# Altium PCB LimePSB-RPCM_1v4.PcbDoc (part 4 of 12) (continued)
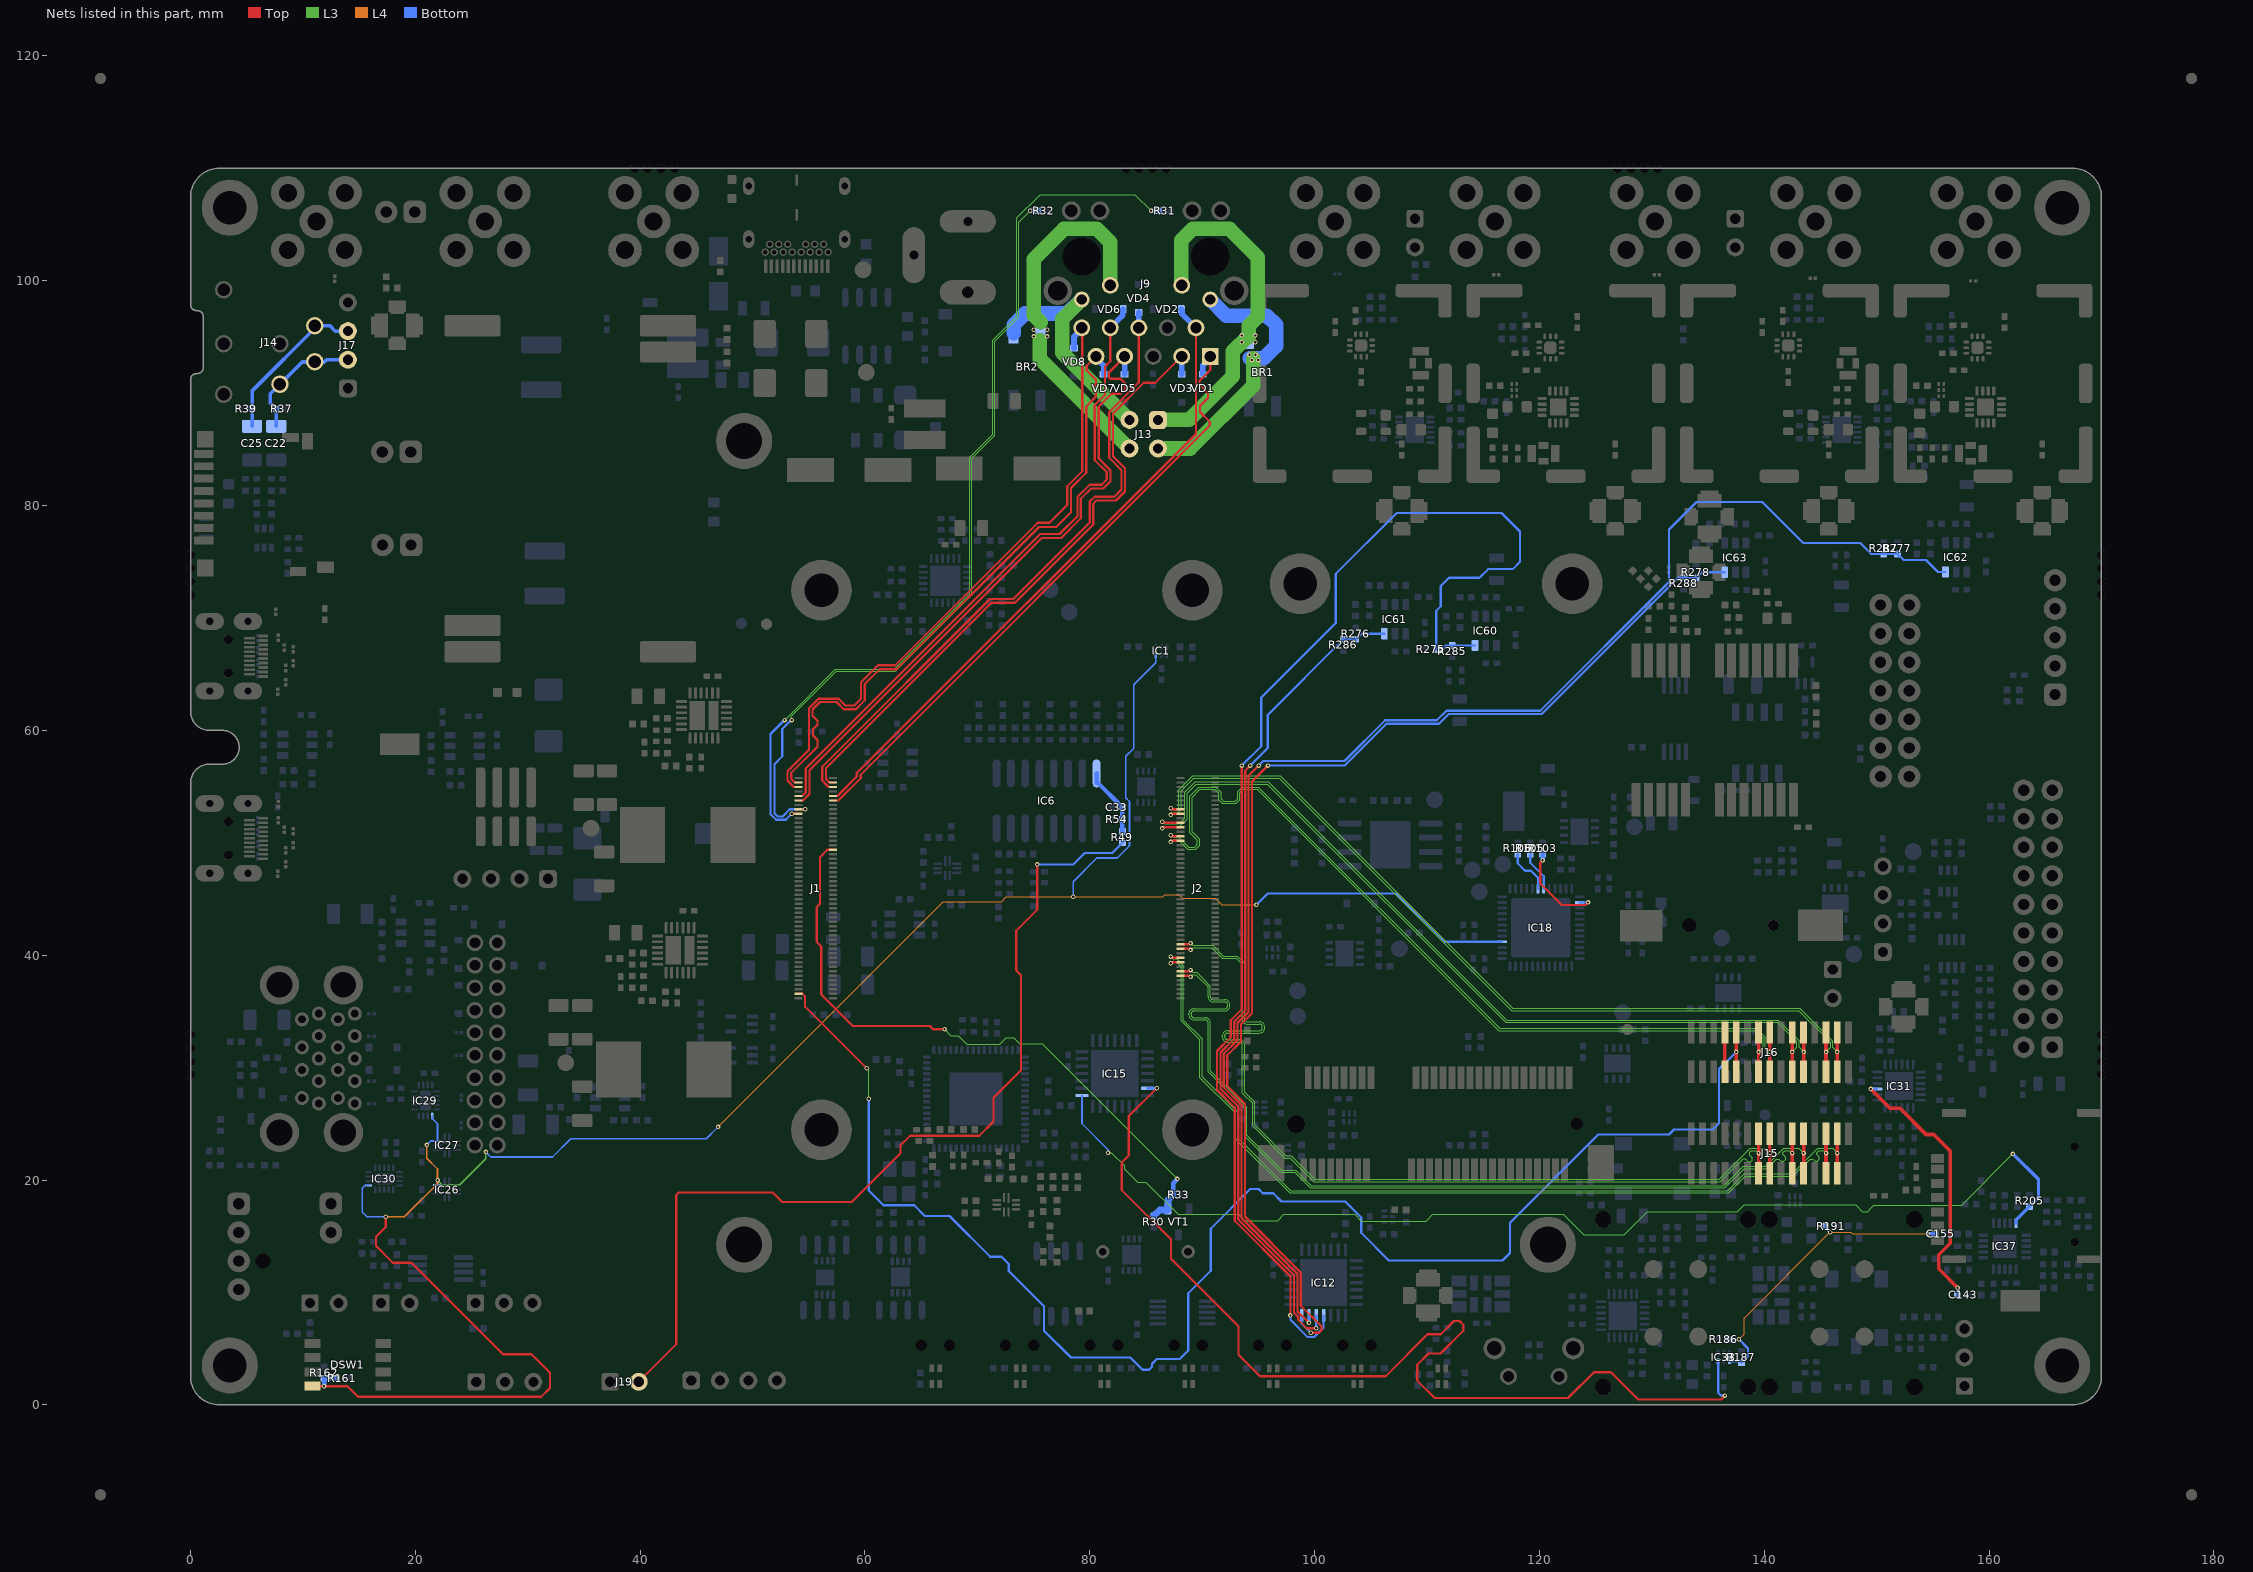
[diagram p8: the nets of this part, all layers, seen from the top]
## Part data (continued)
L4 L5 L6 L7: library part Inductor, Case/Package=0603, Case Code (Metric)=1608, Current=400mA, Current Rating=500mA, DC Resistance (DCR)=170mR, Inductance=22nH, Inductance Tolerance=2%, Manufacturer=Murata, Manufacturer Part Number 1=LQW18AN22NG00D, Max Operating Temperature=125°C, Min Operating Temperature=-55°C, Package Quantity=4000, Resistor Type=Wirewound, Self Resonant Frequency=4.6GHz, Supplier Part Number 1=490-6874-1-ND, Test Frequency=100MHz, Case Code (Imperial)=0603, ComponentLink1Description=http://productfinder.pulseeng.com/products/datasheets/WC701.pdf, ComponentLink1URL=http://productfinder.pulseeng.com/products/datasheets/WC701.pdf, ComponentLink2Description=https://datasheet.ciiva.com/11799/0900766b80a002db-11799279.pdf?src-supplier=RSComponents, ComponentLink2URL=https://datasheet.ciiva.com/11799/0900766b80a002db-11799279.pdf?src-supplier=RSComponents, ComponentLink3Description=https://datasheet.ciiva.com/14124/qhlqw18a-data-e-14124619.pdf?src-supplier=Distrelec, ComponentLink3URL=https://datasheet.ciiva.com/14124/qhlqw18a-data-e-14124619.pdf?src-supplier=Distrelec, ComponentLink4Description=https://datasheet.ciiva.com/6705/l0075s0080lqw18a-00-6705627.pdf?src-supplier=Digi-Key, ComponentLink4URL=https://datasheet.ciiva.com/6705/l0075s0080lqw18a-00-6705627.pdf?src-supplier=Digi-Key, ComponentLink5Description=https://datasheet.ciiva.com/6705/l0075s0080lqw18a-00-6705626.pdf?src-supplier=Digi-Key, ComponentLink5URL=https://datasheet.ciiva.com/6705/l0075s0080lqw18a-00-6705626.pdf?src-supplier=Digi-Key, ComponentLink6Description=https://datasheet.ciiva.com/6705/l0075s0080lqw18a-00-6705631.pdf?src-supplier=Digi-Key, ComponentLink6URL=https://datasheet.ciiva.com/6705/l0075s0080lqw18a-00-6705631.pdf?src-supplier=Digi-Key, ComponentLink7Description=https://datasheet.ciiva.com/4977/product-4977173.pdf?src-supplier=Mouser, ComponentLink7URL=https://datasheet.ciiva.com/4977/product-4977173.pdf?src-supplier=Mouser, ComponentLink8Description=https://datasheet.ciiva.com/46391/1487239-46391853.pdf?src-supplier=Element14, ComponentLink8URL=https://datasheet.ciiva.com/46391/1487239-46391853.pdf?src-supplier=Element14, ComponentLink9Description=https://datasheet.ciiva.com/8507/l0075s0080lqw18a-00-8507496.pdf?src-supplier=Avnet, ComponentLink9URL=https://datasheet.ciiva.com/8507/l0075s0080lqw18a-00-8507496.pdf?src-supplier=Avnet, Core Material=Non-Magnetic, DC Current=500mA, Depth=1mm, Height=0.8mm, Height - Seated (Max)=0.039inch, Lead Free="Lead Free", Length=1.6mm, Max DC Current=500mA, Military Standard=Not, Mount="Surface Mount", Number of Pins=2, Packaging="Tape and Reel", Part Description="Fixed Inductors 22 NH 2%", Pricing 1="1=0,18000, 10=0,16300, 25=0,14520, 50=0,12340, 100=0,10890, 250=0,09984, 500=0,09076, 1000=0,07623 (USD)", Q Factor=40, Rated Current-Max=500mA, REACH SVHC="No SVHC", RoHS=Yes, RoHS Compliant=Yes, Series=LQW18A_00, Series Resistance=170mR, Shielding=Unshielded, Stock 1=60315, Supplier 1=Digi-Key, Termination=SMD/SMT, Tolerance=2%, Weight=0.000106oz, Width=0.8mm
L8 L13: library part Inductor_0603, Case/Package=Nonstandard, Current Rating=3.2A, DC Resistance (DCR)=32.4mR, Inductance=1uH, Inductance Tolerance=30%, Manufacturer="Taiyo Yuden", Manufacturer Part Number 1=NRS4018T1R0NDGJ, Max DC Current=4A, Max Operating Temperature=125°C, Min Operating Temperature=-25°C, Package Quantity=3500, Resistor Type=Wirewound, Self Resonant Frequency=90MHz, Supplier Part Number 1=587-2888-1-ND, Test Frequency=100kHz, ComponentLink1Description=https://www.yuden.co.jp/productdata/catalog/en/wound04_e.pdf, ComponentLink1URL=https://www.yuden.co.jp/productdata/catalog/en/wound04_e.pdf, ComponentLink2Description=http://uk.rs-online.com/webdocs/10b3/0900766b810b3cd2.pdf, ComponentLink2URL=http://uk.rs-online.com/webdocs/10b3/0900766b810b3cd2.pdf, ComponentLink3Description=https://datasheet.ciiva.com/1043/nrs4018t1r0ndgj-ss-1043587.pdf?src-supplier=Digi-Key, ComponentLink3URL=https://datasheet.ciiva.com/1043/nrs4018t1r0ndgj-ss-1043587.pdf?src-supplier=Digi-Key, ComponentLink4Description=https://datasheet.ciiva.com/25607/0900766b810b3cd2-25607942.pdf?src-supplier=RSComponents, ComponentLink4URL=https://datasheet.ciiva.com/25607/0900766b810b3cd2-25607942.pdf?src-supplier=RSComponents, ComponentLink5Description=https://datasheet.ciiva.com/8504/nrs4018t1r0ndgj-ss-8504305.pdf?src-supplier=Avnet, ComponentLink5URL=https://datasheet.ciiva.com/8504/nrs4018t1r0ndgj-ss-8504305.pdf?src-supplier=Avnet, Core Material=Ferrite, Depth=4.2mm, Halogen Free="Halogen Free", Height=1.8mm, Height - Seated (Max)=0.071inch, Lead Free="Lead Free", Lead Pitch=2.8mm, Length=4mm, Mount="Surface Mount", Number of Pins=2, Packaging="Cut Tape", Part Description="1 µH Shielded Drum Core, Wirewound Inductor 3.2 A 32.4mOhm Max Nonstandard", Pricing 1="1=0,27000, 10=0,23800, 25=0,20840, 50=0,17860, 100=0,16370, 250=0,14884, 500=0,13990, 1000=0,10716 (USD)", Radiation Hardening=No, REACH SVHC=Unknown, RMS Current (Irms)=3.2A, RoHS=Yes, RoHS Compliant=Yes, Saturation Current=4A, Series=NRS, Shielding=Shielded, Stock 1=277625, Supplier 1=Digi-Key, Termination=SMD/SMT, Tolerance=30%, Width=0.157inch
L9: library part Inductor_0603, Current - Saturation=25.6A, Current Rating=12A, DC Resistance (DCR)="9 mOhm Max", Frequency - Self Resonant=-, Frequency - Test=100kHz, Manufacturer="Vishay Dale", Manufacturer Part Number 1=IHLP4040DZER2R2M01, Operating Temperature="-55°C ~ 125°C", Package / Case=Nonstandard, Supplier Part Number 1=541-1299-1-ND, Tolerance=±20%, Category="Inductors, Coils, Chokes", Height - Seated (Max)="0.158\" (4.00mm)", Inductance=2.2µH, Material - Core=-, Mounting Type="Surface Mount", Packaging="Cut Tape (CT)", Part Description="2.2µH Shielded Molded Inductor 12A 9 mOhm Max Nonstandard", Q @ Freq=-, RoHS="RoHS Compliant", Shielding=Shielded, Size / Dimension="0.430\" L x 0.405\" W (10.92mm x 10.30mm)", Supplier 1=Digi-Key, Supplier Device Package=-, Type=Molded
L10: library part Inductor_0603, Current - Saturation=18.6A, Current Rating=10A, DC Resistance (DCR)="14.4 mOhm Max", Frequency - Self Resonant=-, Frequency - Test=100kHz, Manufacturer="Vishay Dale", Manufacturer Part Number 1=IHLP4040DZER3R3M01, Operating Temperature="-55°C ~ 125°C", Package / Case=Nonstandard, Supplier Part Number 1=541-1298-1-ND, Tolerance=±20%, Category="Inductors, Coils, Chokes", Height - Seated (Max)="0.158\" (4.00mm)", Inductance=3.3µH, Material - Core=-, Mounting Type="Surface Mount", Packaging="Cut Tape (CT)", Part Description="3.3µH Shielded Molded Inductor 10A 14.4 mOhm Max Nonstandard", Q @ Freq=-, RoHS="RoHS Compliant", Shielding=Shielded, Size / Dimension="0.430\" L x 0.405\" W (10.92mm x 10.30mm)", Supplier 1=Digi-Key, Supplier Device Package=-, Type=Molded
L11 L12: library part Inductor_0603, Manufacturer=Yageo, Manufacturer Part Number 1=RC0402JR-070RL, Operating Temperature="-55°C ~ 155°C", Package / Case="0402 (1005 Metric)", Power (Watts)="0.063W, 1/16W", Resistance (Ohms)=0.0, Supplier Device Package=0402, Supplier Part Number 1=311-0.0JRTR-ND, Temperature Coefficient=-, Tolerance=Jumper, Category=Resistors, Composition="Thick Film", Features="Moisture Resistant", Height="0.016\" (0.40mm)", Number of Terminations=2, Packaging="Tape & Reel (TR)", Part Description="RES SMD 0.0OHM JUMPER 1/16W 0402", RoHS="RoHS Compliant", Size / Dimension="0.039\" L x 0.020\" W (1.00mm x 0.50mm)", Supplier 1=Digi-Key
LED1 LED2 LED3 LED4 LED5 LED6 LED7: library part LED_green_red_SMD, Color="Green, Red", Current - Test=20mA, Lens Color=White, Manufacturer="Avago Technologies US Inc.", Manufacturer Part Number 1=HSMF-C165, Millicandela Rating="15mcd Green, 10mcd Red", Package / Case="0603 (1608 Metric)", Supplier Part Number 1=516-1419-1-ND, Voltage - Forward (Vf) (Typ)="2.2V Green, 1.95V Red", Category=Optoelectronics, Height (Max)=0.50mm, Lens Style/Size="Rectangle with Flat Top, 1.60mm x 0.80mm", Lens Transparency=Diffused, Mounting Type="Surface Mount", Packaging="Cut Tape (CT)", Part Description="LED GREEN/RED DIFFUSED 0603 SMD", RoHS="RoHS Compliant", Size / Dimension="1.60mm L x 0.80mm W", Supplier 1=Digi-Key, Viewing Angle=120°, Wavelength - Dominant="572nm Green, 621nm Red", Wavelength - Peak="570nm Green, 636nm Red"
LED8: Color=Green, Current - Test=20mA, Manufacturer="Avago Technologies US Inc.", Manufacturer Part Number 1=HSMG-C190, Package / Case="0603 (1608 Metric)", Supplier Part Number 1=516-1425-2-ND, Voltage - Forward (Vf) (Typ)=2.2V, Category=Optoelectronics, Part Description="Green 572nm LED Indication - Discrete 2.2V 0603 (1608 Metric)", Supplier 1=Digi-Key
LED9: library part LED_green, Current - Test=20mA, Manufacturer="Avago Technologies US Inc.", Manufacturer Part Number 1=HSMG-C190, Package / Case="0603 (1608 Metric)", Supplier Part Number 1=516-1425-2-ND, Voltage - Forward (Vf) (Typ)=2.2V, Category=Optoelectronics, Color=Green, Part Description="Green 572nm LED Indication - Discrete 2.2V 0603 (1608 Metric)", Supplier 1=Digi-Key
MECH2 MECH4 MECH6 MECH8 MECH10 MECH12: library part Universal_mech_nut_v2, Manufacturer="Wurth Electronics", Manufacturer Part Number 1=9774015243R, Supplier Part Number 1=732-7069-1-ND, ComponentLink1Description=http://www.mouser.com/ds/2/445/9774015243R-611439.pdf?src-supplier=Mouser, ComponentLink1URL=http://www.mouser.com/ds/2/445/9774015243R-611439.pdf?src-supplier=Mouser, ComponentLink2Description=https://media.digikey.com/pdf/Data%20Sheets/Wurth%20Electronics%20PDFs/WA-SMSx_Performance_Flyer.pdf?src-supplier=Digi-Key, ComponentLink2URL=https://media.digikey.com/pdf/Data%20Sheets/Wurth%20Electronics%20PDFs/WA-SMSx_Performance_Flyer.pdf?src-supplier=Digi-Key, ComponentLink3Description=http://www.farnell.com/datasheets/1960361.pdf?src-supplier=Farnell, ComponentLink3URL=http://www.farnell.com/datasheets/1960361.pdf?src-supplier=Farnell, ComponentLink4Description=http://www.farnell.com/datasheets/1960361.pdf?src-supplier=Element14, ComponentLink4URL=http://www.farnell.com/datasheets/1960361.pdf?src-supplier=Element14, ComponentLink5Description=http://www.farnell.com/datasheets/1960361.pdf?src-supplier=Newark, ComponentLink5URL=http://www.farnell.com/datasheets/1960361.pdf?src-supplier=Newark, ComponentLink6Description=https://katalog.we-online.de/em/datasheet/9774015243R.pdf?src-supplier=Digi-Key, ComponentLink6URL=https://katalog.we-online.de/em/datasheet/9774015243R.pdf?src-supplier=Digi-Key, Length=0.114inch, Material=Steel, Outside Diameter=0.171inch, Part Description="RND STANDOFF M2X0.4 STEEL 1.5MM", Plating=Tin, Pricing 1="1=1,16000, 10=1,09800, 50=0,97900, 100=0,89500, 500=0,83500 (USD)", RoHS=Yes, Series=WA-SMSI, Stock 1=71623, Supplier 1=Digi-Key, Threaded/Unthreaded=Threaded, Thread Size=M2X0.4
MECH13 MECH14 MECH15 MECH16 MECH17 MECH18: library part LIGHT_PIPE_RIGHT_ANGLE_SLP3-200-100-F, Manufacturer=Bivar, Manufacturer Part Number 1=SLP3-150-100-F, Supplier Part Number 1=492-1510-ND, ComponentLink1Description=https://datasheet.ciiva.com/1535/1760190-1535004.pdf?src-supplier=Element14, ComponentLink1URL=https://datasheet.ciiva.com/1535/1760190-1535004.pdf?src-supplier=Element14, ComponentLink2Description=https://datasheet.ciiva.com/48976/70536303-48976693.pdf?src-supplier=Allied+Electronics, ComponentLink2URL=https://datasheet.ciiva.com/48976/70536303-48976693.pdf?src-supplier=Allied+Electronics, ComponentLink3Description=https://datasheet.ciiva.com/18526/slp3-xxx-xxx-x-18526910.pdf?src-supplier=Digi-Key, ComponentLink3URL=https://datasheet.ciiva.com/18526/slp3-xxx-xxx-x-18526910.pdf?src-supplier=Digi-Key, ComponentLink4Description=https://datasheet.ciiva.com/1535/1760189-1535002.pdf?src-supplier=Element14, ComponentLink4URL=https://datasheet.ciiva.com/1535/1760189-1535002.pdf?src-supplier=Element14, ComponentLink5Description=https://datasheet.ciiva.com/6338/slp3-150-xxx-x-6338796.pdf?src-supplier=Digikey, ComponentLink5URL=https://datasheet.ciiva.com/6338/slp3-150-xxx-x-6338796.pdf?src-supplier=Digikey, Part Description="Light Pipe Single Clear Rigid Board Mount, Press Fit, Right Angle", Pricing 1="1=0,57, 10=0,334, 100=0,2153, 500=0,16884, 1000=0,15461, 2000=0,14296, 5000=0,13071, 10000=0,12337, 25000=0,11566 (USD)", RoHS=Yes, Stock 1=34964, Supplier 1=Digikey
MECH19 MECH20 MECH21 MECH22: library part "STANDOFF_M-F_THREADED_M3x8x10mm_HEX_5mm dia", "STANDOFF M/F MET 5MM HEX 10MM L", Colour=natural, Manufacturer=FIX&FASTEN, Manufacturer Part Number 1=FIX-MAE-5TV, Category="Plastic Pegs", Internal thread=M3, Material=polyamide, MinAmount=10, Multiples=10, Panel cutout diameter=3mm, Part Description="PCB distance; polyamide; L:5mm; Colour: natural; Øcutout:3mm", Price Type=NET, Spacer length=5mm, Spanner size=5.5mm, SuppliedAmount=1000, Supplier 1=TME, Supplier Part Number 1=FIX-MAE-5TV, Thread pitch=0,5, Type of spacer="PCB distance", Unit=pcs, Weight=0.145
MECH35 MECH36 MECH37 MECH38: library part RF_SHIELD_FRAME_16P5x16P5_2118716-2, Manufacturer="TE Connectivity", Manufacturer Part Number 1=2118716-2, Supplier Part Number 1=A126152CT-ND, ComponentLink1Description=https://www.te.com/commerce/DocumentDelivery/DDEController?Action=srchrtrv&DocNm=2118716&DocType=Customer+Drawing&DocLang=English&src-supplier=Digi-Key, ComponentLink1URL=https://www.te.com/commerce/DocumentDelivery/DDEController?Action=srchrtrv&DocNm=2118716&DocType=Customer+Drawing&DocLang=English&src-supplier=Digi-Key, Part Description="RF Shield Frame 0.650\" (16.50mm) X 0.650\" (16.50mm) Surface Mount", Pricing 1="1=0,93000, 10=0,81600, 25=0,76680, 100=0,62570, 250=0,58120 (USD)", RoHS=Yes, Stock 1=26553, Supplier 1=Digi-Key
MECH39 MECH40 MECH41 MECH42: library part RF_SHIELD_COVER_16P9x16P9_2118715-2, Manufacturer="TE Connectivity", Manufacturer Part Number 1=2118715-2, Supplier Part Number 1=A126120-ND, ComponentLink1Description=https://www.te.com/commerce/DocumentDelivery/DDEController?Action=srchrtrv&DocNm=2118716&DocType=Customer+Drawing&DocLang=English&src-supplier=Digi-Key, ComponentLink1URL=https://www.te.com/commerce/DocumentDelivery/DDEController?Action=srchrtrv&DocNm=2118716&DocType=Customer+Drawing&DocLang=English&src-supplier=Digi-Key, ComponentLink2Description=https://www.te.com/commerce/DocumentDelivery/DDEController?Action=srchrtrv&DocNm=2118715&DocType=Customer+Drawing&DocLang=English&src-supplier=Digi-Key, ComponentLink2URL=https://www.te.com/commerce/DocumentDelivery/DDEController?Action=srchrtrv&DocNm=2118715&DocType=Customer+Drawing&DocLang=English&src-supplier=Digi-Key, Part Description="RF Shield Cover 0.665\" (16.90mm) X 0.665\" (16.90mm) Vented Surface Mount", Pricing 1="1=1,44000, 10=1,28900, 25=1,22400, 100=1,00530, 250=0,93972, 500=0,83046, 1000=0,65562, 2500=0,61191, 5000=0,58132 (USD)", RoHS=Yes, Stock 1=58094, Supplier 1=Digi-Key
R1 R2 R3 R4 R5 R6 R8 R9 R10 R11 R12 R13 R17 R18 R20 R21 R22 R24 R27 R29 R30 R34 R43 R50 R52 R55 R62 R69 R70 R83 R84 R86 R87 R89 R92 R93 R97 R98 R102 R108 R111 R112 R113 R114 R115 R116 R117 R118 R119 R122 R125 R126 R127 R130 R132 R136 R138 R139 R140 R144 R145 R151 R152 R153 R154 R155 R156 R157 R158 R160 R161 R163 R164 R165 R166 R167 R169 R170 R172 R175 R176 R177 R178 R180 R181 R182 R183 R184 R186 R187 R188 R189 R190 R191 R192 R194 R197 R199 R217 R218 R219 R221 R222 R223 R224 R225 R226 R227 R228 R229 R230 R231 R232 R233 R234 R236 R237 R238 R239 R240 R241 R242 R244 R245 R247 R248 R249 R252 R253 R256 R257 R258 R259 R260 R271 R272 R273 R274 R281 R282 R283 R284 R311 R315 R326 R327 R343 R348 R349: library part Res_0402, Manufacturer=Yageo, Manufacturer Part Number 1=RC0402JR-070RL, Operating Temperature="-55°C ~ 155°C", Package / Case="0402 (1005 Metric)", Power (Watts)="0.063W, 1/16W", Resistance (Ohms)=0.0, Supplier Device Package=0402, Supplier Part Number 1=311-0.0JRTR-ND, Temperature Coefficient=-, Tolerance=Jumper, Category=Resistors, Composition="Thick Film", Features="Moisture Resistant", Height="0.016\" (0.40mm)", Number of Terminations=2, Packaging="Tape & Reel (TR)", Part Description="RES SMD 0.0OHM JUMPER 1/16W 0402", RoHS="RoHS Compliant", Size / Dimension="0.039\" L x 0.020\" W (1.00mm x 0.50mm)", Supplier 1=Digi-Key
R14 R90 R96 R275 R276 R277 R278 R285 R286 R287 R288 R300 R307: library part Res_0402, Case/Package=SMD/SMT, Manufacturer=Vishay, Manufacturer Part Number 1=CRCW0402100KFKEDC, Max Operating Temperature=155°C, Min Operating Temperature=-55°C, Power Rating=62.5mW, Resistance=100kR, Resistor Type="Thick Film", Supplier Part Number 1=541-3960-6-ND, Temperature Coefficient=100ppm/°C, Tolerance=1%, ComponentLink1Description=http://www.vishay.com/docs/28773/crcwce3.pdf?src-supplier=Digi-Key, ComponentLink1URL=http://www.vishay.com/docs/28773/crcwce3.pdf?src-supplier=Digi-Key, Contact Plating=Tin, Lead Free="Lead Free", Length=1mm, Mount="Surface Mount", Part Description="100 kOhms ±1% 0.063W, 1/16W Chip Resistor 0402 (1005 Metric) Thick Film", Pricing 1="1=0,10000, 10=0,03300, 100=0,01360, 1000=0,00610, 2500=0,00529, 5000=0,00437 (USD)", RoHS=Yes, RoHS Compliant=Yes, Stock 1=702107, Supplier 1=Digi-Key, Termination=Wraparound
R15 R23 R25 R28 R42 R49 R51 R53 R54 R56 R57 R58 R59 R60 R61 R73 R76 R82 R94 R109 R120 R121 R124 R128 R129 R131 R134 R141 R142 R143 R146 R147 R148 R162 R171 R173 R204 R205 R206 R208 R213 R254 R289 R290 R291 R292 R298 R330 R331 R345 R346 R347 R350: library part Res_0402, Manufacturer=Yageo, Manufacturer Part Number 1=RC0402FR-0710KL, Operating Temperature="-55°C ~ 155°C", Package / Case="0402 (1005 Metric)", Power (Watts)="0.063W, 1/16W", Resistance (Ohms)=10k, Supplier Device Package=0402, Supplier Part Number 1=311-10.0KLRTR-ND, Temperature Coefficient=±100ppm/°C, Tolerance=±1%, Category=Resistors, Composition="Thick Film", Features="Moisture Resistant", Height="0.016\" (0.40mm)", Number of Terminations=2, Packaging="Tape & Reel (TR)", Part Description="RES SMD 10K OHM 1% 1/16W 0402", RoHS="RoHS Compliant", Size / Dimension="0.039\" L x 0.020\" W (1.00mm x 0.50mm)", Supplier 1=Digi-Key
R16 R19 R37 R39 R45 R46 R137 R149 R150 R246 R250 R251 R255 R339 R344: library part Res_0402, Manufacturer="Stackpole Electronics Inc", Manufacturer Part Number 1=RMCF0402FT2K20, Operating Temperature="-55°C ~ 155°C", Package / Case="0402 (1005 Metric)", Power (Watts)="0.063W, 1/16W", Resistance (Ohms)=2.2k, Supplier Device Package=0402, Supplier Part Number 1=RMCF0402FT2K20CT-ND, Temperature Coefficient=±100ppm/°C, Tolerance=±1%, Category=Resistors, Composition="Thick Film", Features=-, Height="0.016\" (0.40mm)", Number of Terminations=2, Packaging="Cut Tape (CT)", Part Description="RES SMD 2.2K OHM 1% 1/16W 0402", RoHS="RoHS Compliant", Size / Dimension="0.039\" L x 0.020\" W (1.00mm x 0.50mm)", Supplier 1=Digi-Key
R26 R31 R32 R159 R168 R174 R201 R293 R294 R295 R296 R317: library part Res_0402, Case/Package=0402, Case Code (Metric)=1005, Manufacturer=Yageo, Manufacturer Part Number 1=RC0402FR-07470RL, Max Operating Temperature=155°C, Max Power Dissipation=63mW, Min Operating Temperature=-55°C, Package Quantity=1, Power Rating=62.5mW, Resistance=470R, Resistance Tolerance=1%, Resistor Type="Thick Film", Supplier Part Number 1=311-470LRCT-ND, Temperature Coefficient=100ppm/°C, Voltage Rating=50V, Case Code (Imperial)=0402, Construction=Rectangular, Depth=0.5mm, Features="Moisture Resistant", Height=0.016inch, Lead Free="Lead Free", Length=1mm, Military Standard=Not, Number of Terminations=2, Packaging="Tape and Reel", Part Description="470 Ohms ±1% 0.063W, 1/16W Chip Resistor 0402 (1005 Metric) Moisture Resistant Thick Film", Pricing 1="1=0,10000, 10=0,01600, 100=0,00660, 1000=0,00299, 2500=0,00259, 5000=0,00214 (USD)", REACH SVHC=Unknown, RoHS=Yes, RoHS Compliant=Yes, Series=RC, Size Code=0402, Stock 1=1652476, Supplier 1=Digi-Key, Termination=SMD/SMT, Tolerance=1%, Width=0.02inch
  R26 R31 R32 R159 R168 R174 R201 R293 R294 R295 R296: Manufacturer 1=Yageo
R33 R41 R44 R74 R78 R193 R200 R314 R319 R332 R338: library part Res_0402, Manufacturer="Stackpole Electronics Inc", Manufacturer Part Number 1=RMCF0402FT1K00, Operating Temperature="-55°C ~ 155°C", Package / Case="0402 (1005 Metric)", Power (Watts)="0.063W, 1/16W", Resistance (Ohms)=1k, Supplier Device Package=0402, Supplier Part Number 1=RMCF0402FT1K00TR-ND, Temperature Coefficient=±100ppm/°C, Tolerance=±1%, Category=Resistors, Composition="Thick Film", Height="0.016\" (0.40mm)", Number of Terminations=2, Part Description="RES SMD 1K OHM 1% 1/16W 0402", RoHS="RoHS Compliant", Size / Dimension="0.039\" L x 0.020\" W (1.00mm x 0.50mm)", Supplier 1=Digi-Key
  R33 R41 R44 R74 R78 R332 R338: Features="Moisture Resistant", Packaging="Cut Tape (CT)"
  R193 R200 R314 R319: Features=-, Packaging="Tape & Reel (TR)"
R35 R40: library part Res_0402, Case/Package=0402, Case Code (Metric)=1005, Manufacturer=Yageo, Manufacturer Part Number 1=RC0402FR-07220RL, Max Operating Temperature=155°C, Max Power Dissipation=63mW, Min Operating Temperature=-55°C, Package Quantity=1, Power Rating=62.5mW, Resistance=220R, Resistance Tolerance=1%, Resistor Type="Thick Film", Supplier Part Number 1=311-220LRCT-ND, Temperature Coefficient=100ppm/°C, Voltage Rating=50V, Case Code (Imperial)=0402, ComponentLink1Description=https://datasheet.ciiva.com/11819/0900766b80c66297-11819466.pdf?src-supplier=RSComponents, ComponentLink1URL=https://datasheet.ciiva.com/11819/0900766b80c66297-11819466.pdf?src-supplier=RSComponents, ComponentLink2Description=https://datasheet.ciiva.com/2453/pyu-r-int-thick-7-2453461.pdf?src-supplier=Digi-Key, ComponentLink2URL=https://datasheet.ciiva.com/2453/pyu-r-int-thick-7-2453461.pdf?src-supplier=Digi-Key, ComponentLink3Description=https://datasheet.ciiva.com/2453/pyu-r-int-thick-7-2453462.pdf?src-supplier=Digi-Key, ComponentLink3URL=https://datasheet.ciiva.com/2453/pyu-r-int-thick-7-2453462.pdf?src-supplier=Digi-Key, ComponentLink4Description=https://datasheet.ciiva.com/2453/pyu-r-int-thick-7-2453460.pdf?src-supplier=Digi-Key, ComponentLink4URL=https://datasheet.ciiva.com/2453/pyu-r-int-thick-7-2453460.pdf?src-supplier=Digi-Key, ComponentLink5Description=https://datasheet.ciiva.com/16746/pyu-rc0402-51-rohs-l-6-r-16746831.pdf?src-supplier=Future+Electronics, ComponentLink5URL=https://datasheet.ciiva.com/16746/pyu-rc0402-51-rohs-l-6-r-16746831.pdf?src-supplier=Future+Electronics, Construction=Rectangular, Depth=0.5mm, Features="Moisture Resistant", Height=0.016inch, Lead Free="Lead Free", Length=1mm, Military Standard=Not, Number of Pins=2, Number of Terminations=2, Packaging="Tape and Reel", Part Description="220 Ohms ±1% 0.063W, 1/16W Chip Resistor 0402 (1005 Metric) Moisture Resistant Thick Film", Pricing 1="1=0,10000, 10=0,01500, 100=0,00610, 1000=0,00275, 2500=0,00239, 5000=0,00197 (USD)", REACH SVHC="No SVHC", RoHS=Yes, RoHS Compliant=Yes, Series=RC, Size Code=0402, Stock 1=2362142, Supplier 1=Digi-Key, Technology="THICK FILM", Termination=SMD/SMT, Tolerance=1%, Voltage Rating (DC)=50V, Width=0.02inch
R36 R38 R123 R202 R261 R262 R263 R264 R267 R268 R269 R270 R328 R329: library part Res_0402, Manufacturer="Stackpole Electronics Inc.", Manufacturer Part Number 1=RMCF0402FT100R, Operating Temperature="-55°C ~ 155°C", Package / Case="0402 (1005 Metric)", Power (Watts)="0.063W, 1/16W", Resistance (Ohms)=100, Supplier Device Package=0402, Supplier Part Number 1=RMCF0402FT100RDKR-ND, Temperature Coefficient=±100ppm/°C, Tolerance=±1%, Category=Resistors, Composition="Thick Film", Features=-, Height="0.016\" (0.40mm)", Number of Terminations=2, Packaging=Digi-Reel®, Part Description="RES SMD 100 OHM 1% 1/16W 0402", RoHS="RoHS Compliant", Size / Dimension="0.039\" L x 0.020\" W (1.00mm x 0.50mm)", Supplier 1=Digi-Key
R47 R198 R210 R308: library part Res_0402, Manufacturer="Vishay Dale", Manufacturer Part Number 1=CRCW04023K00FKED, Operating Temperature="-55°C ~ 155°C", Package / Case="0402 (1005 Metric)", Power (Watts)="0.063W, 1/16W", Resistance (Ohms)=3k, Supplier Part Number 1=541-3.00KLCT-ND, Temperature Coefficient=±100ppm/°C, Tolerance=±1%, Category=Resistors, Composition="Thick Film", Features="Automotive AEC-Q200", Height="0.016\" (0.40mm)", Number of Terminations=2, Packaging="Cut Tape (CT)", Part Description="RES SMD 3K OHM 1% 1/16W 0402", RoHS="RoHS Compliant", Size / Dimension="0.039\" L x 0.020\" W (1.00mm x 0.50mm)", Supplier 1=Digi-Key, Supplier Device Package="0402 (1005 Metric)"
R48 R303: library part Res_0402, Manufacturer=Yageo, Manufacturer Part Number 1=RC0402FR-0722KL, Operating Temperature="-55°C ~ 155°C", Package / Case="0402 (1005 Metric)", Power (Watts)="0.063W, 1/16W", Resistance (Ohms)=22k, Supplier Device Package=0402, Supplier Part Number 1=311-22.0KLRCT-ND, Temperature Coefficient=±100ppm/°C, Tolerance=±1%, Category=Resistors, Composition="Thick Film", Features="Moisture Resistant", Height="0.016\" (0.40mm)", Number of Terminations=2, Packaging="Cut Tape (CT)", Part Description="RES SMD 22K OHM 1% 1/16W 0402", RoHS="RoHS Compliant", Size / Dimension="0.039\" L x 0.020\" W (1.00mm x 0.50mm)", Supplier 1=Digi-Key
R63 R64 R65 R66 R67 R68 R312 R320: library part Res_0402, Manufacturer=Yageo, Manufacturer Part Number 1=RC0402FR-071K6L, Operating Temperature="-55°C ~ 155°C", Package / Case="0402 (1005 Metric)", Power (Watts)="0.063W, 1/16W", Supplier Device Package=0402, Supplier Part Number 1=YAG3045CT-ND, Temperature Coefficient=±100ppm/°C, Tolerance=±1%, Category=Resistors, Composition="Thick Film", Failure Rate=-, Features="Moisture Resistant", Height - Seated (Max)="0.016\" (0.40mm)", Packaging="Cut Tape (CT)", Part Description="1.6 kOhms ±1% 0.063W, 1/16W Chip Resistor 0402 (1005 Metric) Moisture Resistant Thick Film", Part Status=Active, RoHS="RoHS Compliant", Size / Dimension="0.039\" L x 0.020\" W (1.00mm x 0.50mm)", Supplier 1=Digi-Key
R71 R72 R75 R77 R79 R81 R85 R88 R91 R95 R99 R104 R107 R110 R207 R310: library part Res_0402, Case/Package=0402, Case Code (Metric)=1005, Manufacturer=Yageo, Manufacturer Part Number 1=RC0402FR-07330RL, Max Operating Temperature=155°C, Max Power Dissipation=63mW, Min Operating Temperature=-55°C, Package Quantity=1, Power Rating=62.5mW, Resistance=330R, Resistance Tolerance=1%, Resistor Type="Thick Film", Supplier Part Number 1=311-330LRCT-ND, Temperature Coefficient=100ppm/°C, Voltage Rating=50V, Case Code (Imperial)=0402, ComponentLink1Description=http://www.farnell.com/datasheets/2167052.pdf?src-supplier=Farnell, ComponentLink1URL=http://www.farnell.com/datasheets/2167052.pdf?src-supplier=Farnell, ComponentLink2Description=http://www.farnell.com/datasheets/2167052.pdf?src-supplier=Newark, ComponentLink2URL=http://www.farnell.com/datasheets/2167052.pdf?src-supplier=Newark, ComponentLink3Description=http://www.farnell.com/datasheets/1018594.pdf?src-supplier=Element14, ComponentLink3URL=http://www.farnell.com/datasheets/1018594.pdf?src-supplier=Element14, Construction=Rectangular, Depth=0.5mm, Features="Moisture Resistant", Height=0.016inch, Lead Free="Lead Free", Length=0.039inch, Military Standard=Not, Number of Terminations=2, Packaging="Tape and Reel", Part Description="330 Ohms ±1% 0.063W, 1/16W Chip Resistor 0402 (1005 Metric) Moisture Resistant Thick Film", Pricing 1="1=0,10000, 10=0,01500, 100=0,00610, 1000=0,00275, 2500=0,00239, 5000=0,00197 (USD)", REACH SVHC=Unknown, RoHS=Yes, RoHS Compliant=Yes, Series=RC, Size Code=0402, Stock 1=7298585, Supplier 1=Digi-Key, Technology="THICK FILM", Termination=SMD/SMT, Tolerance=1%, Width=0.02inch
R80 R133: library part Res_0402, Manufacturer="Samsung Electro-Mechanics", Manufacturer Part Number 1=RC1005F123CS, Operating Temperature="-55°C ~ 155°C", Package / Case="0402 (1005 Metric)", Power (Watts)="0.063W, 1/16W", Supplier Device Package=0402, Supplier Part Number 1=1276-4122-1-ND, Temperature Coefficient=±100ppm/°C, Tolerance=±1%, Category=Resistors, Composition="Thick Film", Failure Rate=-, Features="Moisture Resistant", Height - Seated (Max)="0.016\" (0.40mm)", Packaging="Cut Tape (CT)", Part Description="12 kOhms ±1% 0.063W, 1/16W Chip Resistor 0402 (1005 Metric) Moisture Resistant Thick Film", Part Status=Active, RoHS="RoHS Compliant", Size / Dimension="0.039\" L x 0.020\" W (1.00mm x 0.50mm)", Supplier 1=Digi-Key
R100 R101: library part Res_0402, Manufacturer="TE Connectivity", Manufacturer Part Number 1=CRGCQ0402F470K, Supplier Part Number 1=A129659CT-ND, ComponentLink1Description=http://www.yageo.com/documents/recent/PYu-RC_Group_51_RoHS_L_9.pdf, ComponentLink1URL=http://www.yageo.com/documents/recent/PYu-RC_Group_51_RoHS_L_9.pdf, ComponentLink2Description=http://www.yageo.com/documents/recent/PYu-RC_Group_51_RoHS_L_10.pdf, ComponentLink2URL=http://www.yageo.com/documents/recent/PYu-RC_Group_51_RoHS_L_10.pdf, ComponentLink3Description=http://www.mouser.com/ds/2/447/PYu-RC0402_51_RoHS_L_6_r-8721.pdf, ComponentLink3URL=http://www.mouser.com/ds/2/447/PYu-RC0402_51_RoHS_L_6_r-8721.pdf, ComponentLink4Description=http://www.yageo.com/documents/recent/PYu-RC0402_51_RoHS_L_6.pdf, ComponentLink4URL=http://www.yageo.com/documents/recent/PYu-RC0402_51_RoHS_L_6.pdf, ComponentLink5Description=http://www.yageo.com/documents/recent/PYu-RC0402_51_RoHS_L_6_r.pdf, ComponentLink5URL=http://www.yageo.com/documents/recent/PYu-RC0402_51_RoHS_L_6_r.pdf, ComponentLink6Description=https://www.te.com/commerce/DocumentDelivery/DDEController?Action=srchrtrv&DocNm=1773204-3&DocType=DS&DocLang=English&src-supplier=Digi-Key, ComponentLink6URL=https://www.te.com/commerce/DocumentDelivery/DDEController?Action=srchrtrv&DocNm=1773204-3&DocType=DS&DocLang=English&src-supplier=Digi-Key, ComponentLink7Description=https://www.te.com/commerce/DocumentDelivery/DDEController?Action=srchrtrv&amp;DocNm=1773204-3&amp;DocType=DS&amp;DocLang=English&src-supplier=Digi-Key, ComponentLink7URL=https://www.te.com/commerce/DocumentDelivery/DDEController?Action=srchrtrv&amp;DocNm=1773204-3&amp;DocType=DS&amp;DocLang=English&src-supplier=Digi-Key, ComponentLink8Description=https://4donline.ihs.com/images/VipMasterIC/IC/TYEL/TYEL-S-A0004929575/TYEL-S-A0004929575-1.pdf?hkey=52A5661711E402568146F3353EA87419&src-supplier=Newark, ComponentLink8URL=https://4donline.ihs.com/images/VipMasterIC/IC/TYEL/TYEL-S-A0004929575/TYEL-S-A0004929575-1.pdf?hkey=52A5661711E402568146F3353EA87419&src-supplier=Newark, ComponentLink9Description=https://4donline.ihs.com/images/VipMasterIC/IC/TYEL/TYEL-S-A0004929575/TYEL-S-A0004929575-1.pdf?hkey=52A5661711E402568146F3353EA87419&src-supplier=Farnell, ComponentLink9URL=https://4donline.ihs.com/images/VipMasterIC/IC/TYEL/TYEL-S-A0004929575/TYEL-S-A0004929575-1.pdf?hkey=52A5661711E402568146F3353EA87419&src-supplier=Farnell, Part Description="470 kOhms ±1% 0.063W, 1/16W Chip Resistor 0402 (1005 Metric) Automotive AEC-Q200, Moisture Resistant Thick Film", Pricing 1="1=0,10000, 10=0,02600, 100=0,01070, 1000=0,00478, 2500=0,00415, 5000=0,00343 (USD)", RoHS=Yes, Stock 1=428220, Supplier 1=Digi-Key
R103 R105 R106: library part Res_0402, Manufacturer=Yageo, Manufacturer Part Number 1=RC0402JR-070RL, Package / Case="0402 (1005 Metric)", Supplier Part Number 1=311-0.0JRTR-ND, Category=Resistors, Composition="Thick Film", Part Description="RES SMD 0.0OHM JUMPER 1/16W 0402", Supplier 1=Digi-Key
R135: library part Res_0402, Manufacturer=Yageo, Manufacturer Part Number 1=RC0402FR-071ML, Operating Temperature="-55°C ~ 155°C", Package / Case="0402 (1005 Metric)", Power (Watts)="0.063W, 1/16W", Supplier Device Package=0402, Supplier Part Number 1=311-1.00MLRCT-ND, Temperature Coefficient=±100ppm/°C, Tolerance=±1%, Category=Resistors, Composition="Thick Film", Failure Rate=-, Features="Moisture Resistant", Height - Seated (Max)="0.016\" (0.40mm)", Packaging="Cut Tape (CT)", Part Description="1 MOhms ±1% 0.063W, 1/16W Chip Resistor 0402 (1005 Metric) Moisture Resistant Thick Film", Part Status=Active, RoHS="RoHS Compliant", Size / Dimension="0.039\" L x 0.020\" W (1.00mm x 0.50mm)", Supplier 1=Digi-Key
R179 R195 R203 R209 R211 R212 R214 R215 R216 R220 R265 R266: library part Res_0402, Manufacturer="Samsung Electro-Mechanics America, Inc.", Manufacturer Part Number 1=RC1005F49R9CS, Operating Temperature="-55°C ~ 155°C", Package / Case="0402 (1005 Metric)", Power (Watts)="0.063W, 1/16W", Resistance (Ohms)=49.9, Supplier Part Number 1=1276-3469-6-ND, Temperature Coefficient=±100ppm/°C, Tolerance=±1%, Category=Resistors, Composition="Thick Film", Features=-, Height="0.016\" (0.40mm)", Number of Terminations=2, Packaging=Digi-Reel®, Part Description="RES SMD 49.9 OHM 1% 1/16W 0402", RoHS="RoHS Compliant", Size / Dimension="0.039\" L x 0.020\" W (1.00mm x 0.50mm)", Supplier 1=Digi-Key, Supplier Device Package="0402 (1005 Metric)"
R185 R235: library part Res_0402, Manufacturer=Yageo, Manufacturer Part Number 1=RC0402FR-0722RL, Resistance (Ohms)=22, Supplier Device Package=0402, Supplier Part Number 1=311-22.0LRTR-ND, Temperature Coefficient=±100ppm/°C, Tolerance=±1%, Category=Resistors, Composition="Thick Film", Part Description="RES SMD 22 OHM 1% 1/16W 0402", Supplier 1=Digi-Key
R196 R243: library part Res_0402, Case/Package=0402, Case Code (Metric)=1005, Manufacturer="Stackpole Electronics", Manufacturer Part Number 1=RMCF0402FT10R0, Max Operating Temperature=155°C, Max Power Dissipation=63mW, Min Operating Temperature=-55°C, Resistance=10R, Resistor Type="Thick Film", Supplier Part Number 1=RMCF0402FT10R0CT-ND, Temperature Coefficient=100ppm/°C, Tolerance=1%, Case Code (Imperial)=0402, ComponentLink1Description=http://components.arrow.com/part/dataview/44988361S6966751N1174?src-supplier=Arrow+Electronics, ComponentLink1URL=http://components.arrow.com/part/dataview/44988361S6966751N1174?src-supplier=Arrow+Electronics, ComponentLink2Description=https://www.seielect.com/catalog/SEI-RMCF_RMCP.pdf?src-supplier=Avnet, ComponentLink2URL=https://www.seielect.com/catalog/SEI-RMCF_RMCP.pdf?src-supplier=Avnet, ComponentLink3Description=https://www.seielect.com/catalog/SEI-Packaging.pdf?src-supplier=Digi-Key, ComponentLink3URL=https://www.seielect.com/catalog/SEI-Packaging.pdf?src-supplier=Digi-Key, ComponentLink4Description=http://www.seielect.com/Catalog/SEI-RMCF_RMCP.pdf?src-supplier=Future+Electronics, ComponentLink4URL=http://www.seielect.com/Catalog/SEI-RMCF_RMCP.pdf?src-supplier=Future+Electronics, Construction=Rectangular, Contact Plating=Tin,Matte, Depth=0.5mm, Features="Automotive AEC-Q200", Height=0.016inch, Lead Free="Lead Free", Length=0.039inch, Military Standard=Not, Mount="Surface Mount", Number of Terminations=2, Packaging="Tape and Reel", Part Description="10 Ohms ±1% 0.063W, 1/16W Chip Resistor 0402 (1005 Metric) Automotive AEC-Q200 Thick Film", Power Rating=63mW, Pricing 1="1=0,10000, 10=0,01400, 100=0,00560, 1000=0,00253, 2500=0,00220, 5000=0,00181 (USD)", Radiation Hardening=No, RoHS=Yes, RoHS Compliant=Yes, Series=RMCF, Size Code=0402, Stock 1=4909487, Supplier 1=Digi-Key, Width=0.02inch
R299 R302 R304 R309 R333: library part Res_0402, Manufacturer="Panasonic Electronic Components", Manufacturer Part Number 1=ERJ-2RKF4422X, Operating Temperature="-55°C ~ 155°C", Package / Case="0402 (1005 Metric)", Power (Watts)="0.1W, 1/10W", Resistance (Ohms)=44.2k, Supplier Device Package=0402, Supplier Part Number 1=P44.2KLCT-ND, Temperature Coefficient=±100ppm/°C, Tolerance=±1%, Category=Resistors, Composition="Thick Film", Features="Automotive AEC-Q200", Height="0.016\" (0.40mm)", Number of Terminations=2, Packaging="Cut Tape (CT)", Part Description="RES SMD 44.2K OHM 1% 1/10W 0402", RoHS="RoHS Compliant", Size / Dimension="0.039\" L x 0.020\" W (1.00mm x 0.50mm)", Supplier 1=Digi-Key
R301: library part Res_0402, Manufacturer="Stackpole Electronics Inc.", Manufacturer Part Number 1=RMCF0402FT2K21, Operating Temperature="-55°C ~ 155°C", Package / Case="0402 (1005 Metric)", Power (Watts)="0.063W, 1/16W", Resistance (Ohms)=2.21k, Supplier Device Package=0402, Supplier Part Number 1=RMCF0402FT2K21CT-ND, Temperature Coefficient=±100ppm/°C, Tolerance=±1%, Category=Resistors, Composition="Thick Film", Features="Automotive AEC-Q200", Height="0.016\" (0.40mm)", Number of Terminations=2, Packaging="Cut Tape (CT)", Part Description="RES SMD 2.21K OHM 1% 1/16W 0402", RoHS="RoHS Compliant", Size / Dimension="0.039\" L x 0.020\" W (1.00mm x 0.50mm)", Supplier 1=Digi-Key
R305 R306: library part Res_0402, Case/Package=0805, Case Code (Metric)=2012, Manufacturer=Yageo, Manufacturer Part Number 1=RC0805FR-07100RL, Max Operating Temperature=155°C, Max Power Dissipation=125mW, Min Operating Temperature=-55°C, Package Quantity=5000, Resistance=100R, Resistor Type="Thick Film", Supplier Part Number 1=311-100CRCT-ND, Temperature Coefficient=100ppm/°C, Tolerance=1%, Voltage Rating=150V, Application(s)="HIGH RELIABILITY", Case Code (Imperial)=0805, Depth=1.25mm, Features="Moisture Resistant", Height=0.5mm, Lead Free="Lead Free", Lead Pitch=0.4mm, Length=2mm, Military Standard=Not, Number of Pins=2, Number of Terminations=2, Packaging="Cut Tape", Part Description="100 Ohms ±1% 0.125W, 1/8W Chip Resistor 0805 (2012 Metric) Moisture Resistant Thick Film", Power Rating=125mW, Pricing 1="1=0,10000, 10=0,03800, 100=0,01560, 1000=0,00699, 2500=0,00607 (USD)", REACH SVHC=Unknown, RoHS=Yes, RoHS Compliant=Yes, Series=RC, Stock 1=3385227, Supplier 1=Digi-Key, Technology="THICK FILM", Termination=SMD/SMT, Type="General Purpose", Voltage Rating (DC)=150V, Weight=0.000917oz, Width=1.25mm